# KiCad board VNTR-65.kicad_pcb (continued)
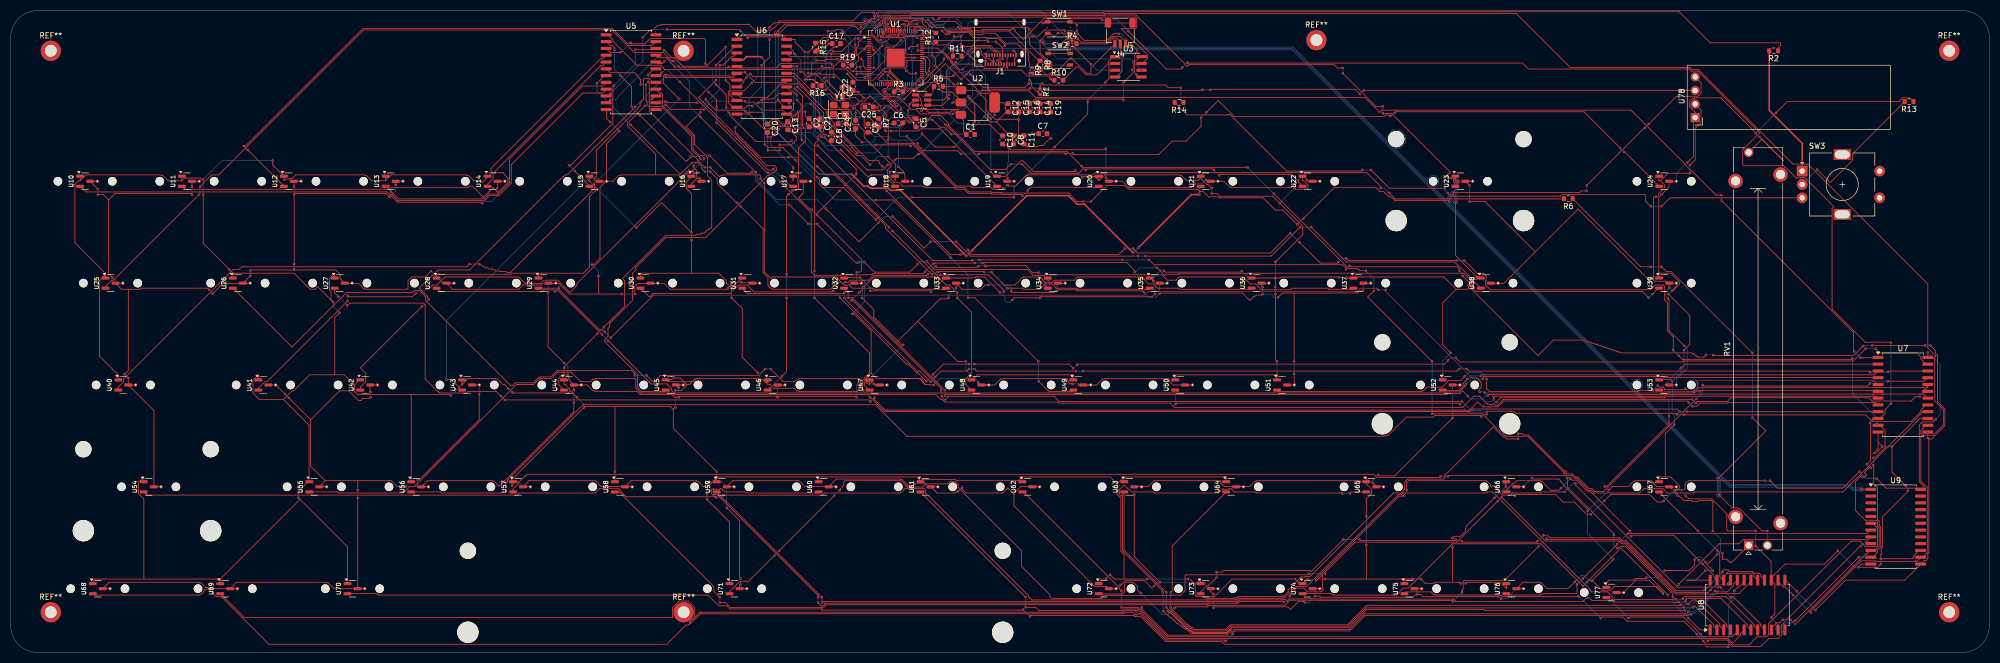
[diagram p0: board, top side]
## Routing (per net, layer and track width the routed paths; a pad name or vN(x,y) marks a point on that pad's centre or on a via; arc(x,y) is an arc through that point) (continued)
Net-(U57-VOUT): length 274.2
  Top w0.15: 357.6,45 342.6,30 314.9,30 314.7,29.8 309.8,29.8 309,30.6 305.4,30.6 304.6,29.8 296.1,29.8 295.6,30.3 295.1,30.3 292.9,32.5 292.5,32.5 291.9,33.1 269,33.1 v1(268.8,32.9) ; 93.9,30 93.9,30.5 94.9,31.5 94.9,31.7 96.2,33 96.3,33 96.6,33.3 254.9,33.3 255.5,32.7 267.2,32.7 v1(267.4,32.9)
  Bottom w0.15: v1(268.8,32.9) v1(267.4,32.9)
Net-(U58-VOUT): length 258.2
  Top w0.15: v1(132.6,10.3) 131.5,11.4 131.5,12.2 131.3,12.4 131.3,12.5 113.8,30 113,30 ; v1(292.6,31.6) 292.6,31.3 311.7,12.2 319.4,12.2 319.5,12.3 319.6,12.3 v1(319.8,12.1) ; 328,4.2 327.2,5 327.3,5.1 327.2,5.2 327.2,5.3 322.1,10.4 321.5,10.4 ; 239.05,10.65 240.4,12 241.8,12 242.5,11.3 245,11.3 245.4,11.7 245.4,12 245.3,12.1 245.3,14.5 244,13.2 244,13.6 259.6,29.2 260.2,29.2 260.4,29.4 260.5,29.4 v1(260.6,29.3) ; 239.2,10.7 v1(239.2,10.5) 239.1,10.6 ; v1(290.6,30) 286.3,30 286.1,29.8 280.8,29.8 280.4,29.4 279,29.4 277.2,31.2 276.9,30.9 276.7,31.1 276.7,31.4 276.1,32 276,32 275.9,32.1 261.4,32.1 261,31.7 261,30.5 ; v1(321.7,10.2) 321.7,10.4 ; v1(261.1,30.3) 260.95,30.45 ; v1(238.1,9.4) 238,9.5 229.8,9.5 229.5,9.2 229.4,9.3 229.3,9.3 229.1,9.1 229,9.2 224.1,9.2 223.7,8.8 223.6,8.9 152.5,8.9 151.8,8.2 151.6,8.4 134.6,8.4 133.7,9.3 v1(132.6,9.3)
  Bottom w0.15: v1(261.1,30.3) 260.6,29.8 v1(260.6,29.3) ; v1(132.6,9.3) v1(132.6,10.3) ; v1(239.2,10.5) v1(238.1,9.4) ; v1(290.6,30) 292.2,31.6 v1(292.6,31.6) ; v1(321.7,10.2) v1(319.8,12.1)
Net-(U59-VOUT): length 224.1
  Top w0.15: v1(312.7,10) 313.1,10.4 320.8,10.4 326,5.2 326,4.9 326.7,4.2 ; v1(151.7,9.3) 151.9,9.5 223.6,9.5 223.9,9.8 229,9.8 229.1,9.9 229.4,9.9 229.6,10.1 237.8,10.1 237.9,10.2 238.2,10.2 240.3,12.3 242.3,12.3 259.5,29.5 260.1,29.5 260.4,29.8 276,29.8 276.2,30 277.1,30 295.3,11.8 295.3,11.6 295.6,11.3 298.6,11.3 299.5,10.4 299.5,10.3 299.9,9.9 311,9.9 311.2,10.1 v1(311.4,9.9) ; v1(151.7,10.3) 132,30
  Bottom w0.15: v1(311.4,9.9) 312.3,9.9 312.4,10 v1(312.7,10) ; v1(151.7,9.3) v1(151.7,10.3)
Net-(U60-VOUT): length 231
  Top w0.15: 150.9,29.8 137.6,29.8 137.4,30 133.5,30 132.9,30.6 132.7,30.6 132.6,30.5 131.5,30.5 131.4,30.6 131.3,30.5 131,30.5 131,29.7 131.3,29.4 131.5,29.4 131.5,29.5 132.1,29.5 151,10.6 v1(151,10.3) ; 325.4,4.2 324.7,4.9 324.7,5.2 319.8,10.1 313.4,10.1 313.3,10 313.3,9.9 313.2,9.8 313.2,9.7 313.1,9.6 313.1,9.4 v1(313.2,9.5) ; v1(311.9,9.4) 311.8,9.5 311.7,9.4 311.6,9.4 311.5,9.3 311.3,9.3 311.2,9.4 300,9.4 299.5,9.9 299.4,9.9 299.2,9.7 295.7,9.7 295.1,10.3 295,10.3 294.8,10.1 294.6,10.1 294,9.5 270.12,9.5 270.12,9.68 269.88,9.92 269.63,9.92 269.6,9.95 244.9,9.95 244.85,10 239.15,10 238.67,9.53 238.3,9.9 238,9.9 237.9,9.8 229.7,9.8 229.5,9.6 229.2,9.6 229.1,9.5 224,9.5 223.7,9.2 152.3,9.2 152.2,9.1 152.3,9.1 151.8,8.6 151.7,8.7 151.5,8.7 151,9.2
  Bottom w0.15: v1(151,9.3) v1(151,10.3) ; v1(311.9,9.4) 312.8,9.4 312.9,9.5 v1(313.2,9.5)
Net-(U61-VOUT): length 168.4
  Top w0.15: 324.2,4.2 323.5,3.5 323.5,3.3 323.4,3.2 323.4,3.1 322,1.7 321.1,2.6 216.2,2.6 210.7,8.1 208.2,8.1 208,7.9 207.9,7.9 207.8,7.8 192.3,7.8 191.7,8.4 v1(189.8,8.4) ; v1(189.8,10.3) 170.1,30
  Bottom w0.15: v1(189.8,8.4) v1(189.8,10.3)
Net-(U62-VOUT): length 147.1
  Top w0.15: v1(207.7,8.4) 210.8,8.4 216.3,2.9 321.9,2.9 322.9,3.9 ; v1(207.7,11.5) 207.3,11.9 207.3,12.1 189.4,30
  Bottom w0.15: v1(207.7,8.4) v1(207.7,11.5)
Net-(U63-VOUT): length 137.1
  Top w0.15: v1(216.1,8.4) 216.7,7.8 217,7.8 220,4.8 220.2,4.8 220.6,4.4 220.8,4.4 221.2,4 227.3,4 228.2,4.9 250.1,4.9 253.5,8.3 312.5,8.3 312.6,8.4 v1(312.9,8.4) ; v1(316,9.6) 316.2,9.8 316.3,9.8 320.9,5.2 320.9,4.9 321.6,4.2 ; v1(216.1,11.2) 208.2,19.1 208.2,30
  Bottom w0.15: v1(216.1,8.4) v1(216.1,11.2) ; v1(312.9,8.4) 313.9,8.4 315.1,9.6 v1(316,9.6)
Net-(U64-VOUT): length 135.8
  Top w0.15: 227.3,30 217.2,19.9 217.2,11.5 v1(216.9,11.2) ; v1(313.7,9) 314.5,9.8 315.1,9.8 319.6,5.3 319.6,4.9 320.3,4.2 ; 216.9,8.3 220.1,5.1 220.3,5.1 220.7,4.7 220.9,4.7 221.3,4.3 227.2,4.3 227.9,5 227.95,5 228.1,5.15 249.95,5.15 253.6,8.8 312,8.8 312.1,8.9 v1(312.4,8.9)
  Bottom w0.15: v1(312.4,8.9) 313.3,8.9 313.4,9 v1(313.7,9) ; v1(216.9,8.4) v1(216.9,11.2)
Net-(U65-VOUT): length 212.8
  Top w0.15: v1(249,29.7) 248.9,29.8 232.9,29.8 232.7,30 228.8,30 228.2,30.6 227.9,30.6 227.8,30.5 226.7,30.5 226.6,30.6 225.8,29.8 213.8,29.8 213.6,30 209.6,30 209.1,30.5 209,30.5 208.2,31.3 207.3,30.4 207.3,30.3 207.2,30.2 207.3,30.1 207.3,29.9 207.2,29.8 207.3,29.7 207.3,29.5 207.6,29.2 207.9,29.5 207.9,19 215.4,11.5 v1(215.4,11.2) ; 253.5,30 250.7,30 v1(250.4,29.7) ; v1(314.6,8.4) 314.9,8.7 318.4,5.2 318.4,4.9 319.1,4.2 ; v1(313.1,7.8) 275.7,7.8 275.5,8 253.6,8 250.2,4.6 228.3,4.6 227.4,3.7 221.1,3.7 220.7,4.1 220.5,4.1 220.1,4.5 219.9,4.5 216.9,7.5 216.6,7.5 216.3,7.8 216.2,7.8 216.6,7.4 216.9,7.4 219.9,4.4 220.1,4.4 220.5,4 220.7,4 221.1,3.6 227.4,3.6 228.2,4.4 228.2,4.1 228,4.1 227.4,3.5 220.7,3.5 219.8,4.4 219.5,4.4 219.2,4.7 219.1,4.7 218.8,5 218.7,5 218.3,5.4 218.1,5.4 217,6.5 216.8,6.5 215.6,7.7
  Bottom w0.15: v1(215.4,11.2) 215.5,11.1 v1(215.5,7.7) ; v1(314.6,8.4) 314.3,8.4 314,8.1 313.4,8.1 v1(313.1,7.8) ; v1(249,29.7) v1(250.4,29.7)
Net-(U66-VOUT): length 50.8
  Top w0.15: v1(289.9,30.7) 289.5,30.3 288,30.3 286.3,32 286.1,32 286,32.1 281.6,32.1 281,31.5 280.8,31.5 279.7,30.4 279.7,30 ; v1(316.4,16.5) 318.4,14.5 318.4,14.2 319.1,13.5 ; v1(302.8,22.7) 295.5,30 295,30 292.8,32.2 292,32.2 v1(291.7,32.5) ; v1(303,21.7) 303.2,21.9 311,21.9 v1(315.7,17.2)
  Bottom w0.15: v1(316.4,16.5) v1(315.7,17.2) ; v1(302.8,22.7) 303,22.5 v1(303,21.7) ; v1(291.7,32.5) v1(289.9,30.7)
Net-(U67-VOUT): length 21.5
  Top w0.15: 320.3,13.5 319.6,14.2 319.6,18.6 v1(319.1,19.1) ; v1(315.5,22.7) 308.2,30
  Bottom w0.15: v1(319.1,19.1) v1(315.5,22.7)
Net-(U68-VOUT): length 322.2
  Top w0.15: v1(227.2,2.1) 227,2.3 216.1,2.3 211.1,7.3 211,7.3 210.8,7.1 210.7,7.1 210.6,7 210.4,7 210.3,7.1 210.2,7.1 209.8,7.5 208.4,7.5 208.1,7.2 129,7.2 127.1,5.3 126.9,5.3 126.7,5.1 126.3,5.1 122.7,1.5 48.3,1.5 39.4,10.4 38.4,10.4 37,11.8 36.4,11.8 36.1,11.5 36.1,11.3 35.6,10.8 35.3,10.8 35.2,10.7 15.7,10.7 15.4,11 ; v1(314.2,7.1) 313.9,7.1 313.7,6.9 313.6,7 313.5,7 313.4,6.9 253.3,6.9 250.4,4 228.9,4 228.4,3.5 v1(228.5,3.4) ; v1(321.1,12.7) 321,12.8 321,12.9 321.6,13.5
  Bottom w0.15: v1(314.2,7.1) 314.4,7.3 314.9,7.3 318.5,10.9 318.9,10.9 319.2,11.2 319.2,11.3 319.3,11.4 319.3,11.6 319.2,11.7 319.2,12.4 319.5,12.7 v1(321.1,12.7) ; v1(228.5,3.4) v1(227.2,2.1)
Net-(U69-VOUT): length 301.1
  Top w0.15: 322.9,13.5 322.2,12.8 322.2,12.5 321,11.3 318.9,11.3 v1(318.7,11.5) ; v1(313.7,7.6) 313.3,7.2 253.2,7.2 250.3,4.3 228.8,4.3 228.3,3.8 228.1,3.8 227.5,3.2 216.4,3.2 211.5,8.1 v1(211.5,8.4) ; 39.2,11 43.7,6.5 123.9,6.5 123.76,6.64 123.76,8.36 124.97,9.58 126.69,9.58 127.91,8.36 127.91,6.64 126.87,5.6 127,5.6 128.9,7.5 208,7.5 208.3,7.8 210.3,7.8 v1(210.5,7.6)
  Bottom w0.15: v1(210.5,7.6) 211.3,8.4 v1(211.5,8.4) ; v1(313.7,7.6) 314.8,7.6 v1(318.7,11.5)
Net-(U70-VOUT): length 276.2
  Top w0.15: v1(322.3,11.5) 323,12.2 323.2,12.2 324.2,13.2 ; v1(321.2,1) 317.2,1 316.7,1.5 227,1.5 226.5,2 216,2 211.3,6.7 210.2,6.7 210,6.9 190.8,6.9 v1(190.6,6.7) ; v1(189.3,8) 189.2,7.9 151.7,7.9 151.5,8.1 134.5,8.1 133.9,8.7 132.4,8.7 130.4,10.7 68.8,10.7 68.7,10.8 68.5,10.8 68.3,11 63,11
  Bottom w0.15: v1(189.3,8) v1(190.6,6.7) ; v1(322.3,11.5) 322.3,10 321.2,8.9 v1(321.2,1)
Net-(U71-VOUT): length 230.8
  Top w0.15: v1(245.8,14.7) 245.8,15 251.4,20.6 270.4,20.6 v1(278.1,28.3) ; v1(154,29.3) v1(143.7,19) ; v1(142.8,18.1) 137.9,13.2 137.5,13.2 137.4,13.3 136.4,13.3 134.4,11.3 134.4,11 ; v1(242.8,14.7) 242.6,14.5 219.8,14.5 219.6,14.3 219.6,11.6 219.4,11.4 219.4,11.3 218.8,10.7 217.1,10.7 217,10.6 204.4,10.6 203.9,10.1 194.7,10.1 194.3,10.5 194.3,10.8 189,16.1 189,19 177.18,30.82 177.18,31.37 176.58,31.97 175.73,31.97 175.26,31.5 171.1,31.5 170.5,30.9 167.7,30.9 166.6,32 166.4,32 166.3,32.1 156,32.1 155.8,31.9 155.8,31.3 155.6,31.1 155.6,31 155.2,30.6 155.2,30.5 v1(155,30.3) ; 325.4,13.2 323.2,11 318.9,11 318.8,10.9 311.3,10.9 301.9,20.3 301.2,20.3 300.7,20.8 287,20.8 v1(278.8,29)
  Bottom w0.15: v1(278.8,29) v1(278.1,28.3) ; v1(155,30.3) v1(154,29.3) ; v1(245.8,14.7) v1(242.8,14.7) ; v1(143.7,19) v1(142.8,18.1)
Net-(U72-VOUT): length 141.3
  Top w0.15: v1(287.2,21.3) 287.4,21.1 300.8,21.1 301.3,20.6 302,20.6 311.4,11.2 317.4,11.2 v1(317.9,11.7) ; v1(217.6,8.3) 217.8,8.5 223.8,8.5 224.1,8.8 238.3,8.8 239.25,9.75 244.75,9.75 244.8,9.7 269.5,9.7 v1(269.7,9.5) ; 203.6,10.9 207.9,10.9 208.3,11.3 208.3,12.9 208.5,13.1 209.7,13.1 209.8,13 210,13 210.7,12.3 210.7,11.7 v1(211.3,11.1) ; 326.7,13.5 326,14.2 326,14.5 325.7,14.8 v1(321,14.8) ; v1(285.7,19.8) 279.3,13.4 271.8,13.4 271.6,13.2 271.6,11.8 271.4,11.6 v1(271.4,11.2)
  Bottom w0.15: v1(321,14.8) v1(317.9,11.7) ; v1(271.4,11.2) v1(269.7,9.5) ; v1(287.2,21.3) v1(285.7,19.8) ; v1(211.3,11.1) 215.3,7.1 216.4,7.1 v1(217.6,8.3)
Net-(U73-VOUT): length 118.5
  Top w0.15: v1(225.5,14) 224,12.5 223.7,12.5 222.5,11.3 222.5,11 ; v1(252.2,21.1) 252.4,20.9 270,20.9 v1(270.2,21.1) ; v1(285.5,20.8) 285.3,20.6 271.5,20.6 v1(271.3,20.8) ; v1(225.5,15) 226.5,15 226.8,15.3 243,15.3 243.2,15.1 v1(249.2,21.1) ; 328,13.5 327.3,14.2 327.3,14.5 327,14.8 326.1,14.8 325.8,15.1 321.5,15.1 321.2,15.4 320.3,15.4 320.1,15.2 v1(320.1,15) ; v1(316.8,11.7) 316.6,11.5 311.5,11.5 302.1,20.9 301.4,20.9 300.9,21.4 287.9,21.4 287.4,21.9 v1(286.6,21.9)
  Bottom w0.15: v1(252.2,21.1) v1(249.2,21.1) ; v1(286.6,21.9) v1(285.5,20.8) ; v1(270.2,21.1) 270.5,20.8 v1(271.3,20.8) ; v1(225.5,15) v1(225.5,14) ; v1(320.1,15) v1(316.8,11.7)
Net-(U74-VOUT): length 124.8
  Top w0.15: v1(294,12.4) 286.1,20.3 269.6,20.3 261.3,12 260.4,12 259.6,11.2 259.6,11.1 259.2,10.7 247.4,10.7 247.3,10.8 247.1,10.8 246.9,11 242.3,11 242.1,11.2 241.8,11.2 241.6,11 ; 347.6,20.3 346.8,21.1 324,21.1 323.2,20.3 319.5,20.3 v1(311.9,12.7) ; v1(309.9,10.7) 301.1,19.5 v1(294.7,13.1)
  Bottom w0.15: v1(294,12.4) v1(294.7,13.1) ; v1(309.9,10.7) v1(311.9,12.7)
Net-(U75-VOUT): length 101.3
  Top w0.15: v1(315.3,3.4) 312.9,5.8 302.3,5.8 301.5,6.6 297.5,6.6 v1(297.3,6.4) ; v1(347.4,21.3) 347.7,21.6 ; v1(293.2,10.5) 293.1,10.4 278.9,10.4 278.6,10.7 266.5,10.7 266.4,10.8 266.1,10.8 265.6,11.3 260.9,11.3 260.6,11 ; v1(316.5,2.1) 317.1,1.5 321.4,1.5 321.8,1.1 327.3,1.1 328.8,2.6 330.5,2.6 331.2,3.3 331.2,5.2 345.9,19.9
  Bottom w0.15: v1(315.3,3.4) 315.5,3.2 315.5,3.1 v1(316.5,2.1) ; v1(346,19.9) v1(347.4,21.3) ; v1(293.2,10.5) v1(297.3,6.4)
Net-(U76-VOUT): length 74.3
  Top w0.15: 347.8,22.9 347.1,22.2 v1(302.4,22.2) ; v1(292.9,12.7) 292.9,11 286.4,11 286.2,10.8 286,10.8 285.9,10.7 280,10.7 279.7,11 ; v1(300.4,20.2) v1(294,13.8)
  Bottom w0.15: v1(294,13.8) v1(292.9,12.7) ; v1(302.4,22.2) v1(300.4,20.2)
Net-(U77-VOUT): length 68.6
  Top w0.15: v1(302.5,6.4) 302.7,6.6 312.8,6.6 v1(316,3.4) ; v1(317.3,2.1) 317.5,2.3 321,2.3 321.9,1.4 325.1,1.4 326.6,2.9 328.3,2.9 328.7,3.3 328.7,5.3 344.2,20.8 345.8,20.8 346.8,19.8 348.9,19.8 349.1,20 349.1,23.2 348.2,24.1
  Bottom w0.15: v1(316,3.4) v1(317.3,2.1) ; v1(298.7,10.2) v1(302.5,6.4)
